# Altium PCB platka.PcbDoc (continued)
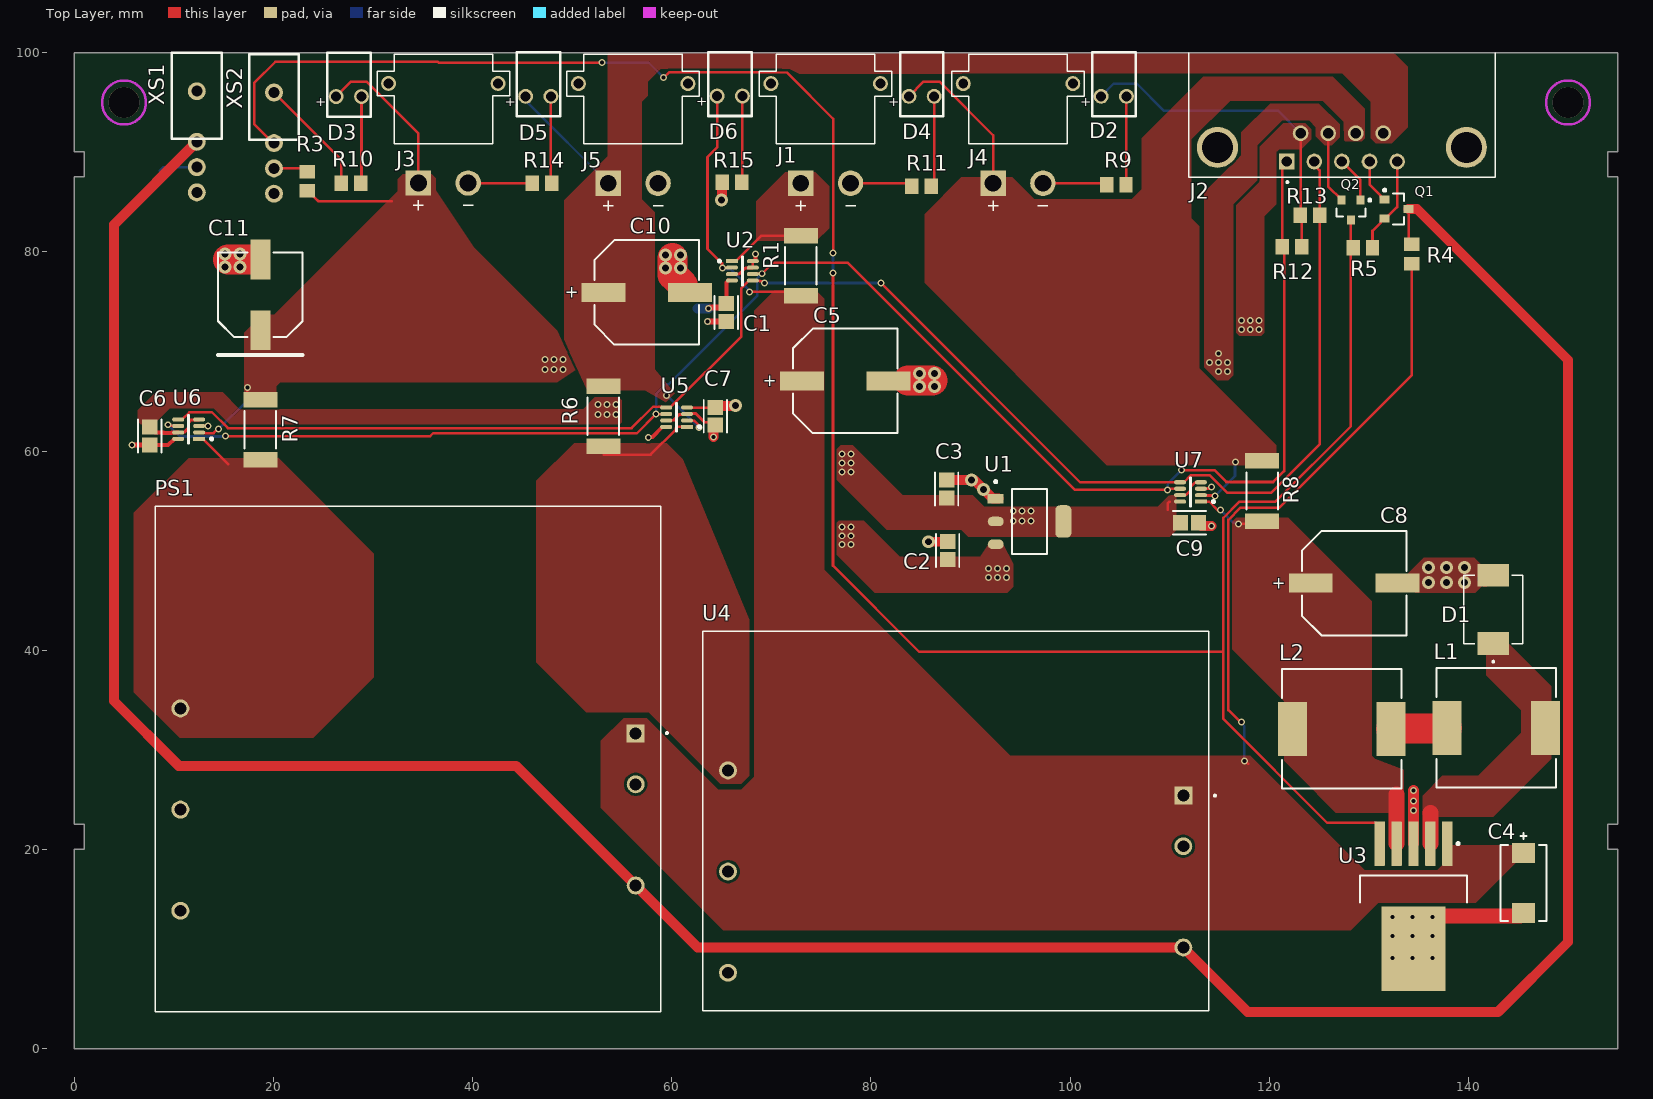
[diagram p0: Top Layer view]
## Part data (continued)
D1: "5A, 60V, Schottky Rectifier", Package="SMC-2 Taiwan Semiconductor", Availability="In Stock", Check_prices=https://www.snapeda.com/parts/SK56C/Taiwan+Semiconductor/view-part/?ref=eda, MF="Taiwan Semiconductor", MP=SK56C, Price=None, Purchase-URL=https://pricing.snapeda.com/search/part/SK56C/?ref=eda, SnapEDA_Link=https://www.snapeda.com/parts/SK56C/Taiwan+Semiconductor/view-part/?ref=snap
D2 D3 D4 D5 D6: library part 15400385F3590, "WL-TIRC THT Infrared Round Waterclear, 3mm, 60mW/sr, Infrared, 1.5V, 30°", Emitting Color=Infrared, Forward Voltage=1.5V, Manufacturer="Wurth Elektronik", Operating Temperature Max=85°C, Operating Temperature Min=-40°C, Category="Infrared LEDs", Centroid Wavelength=845nm, Chip Technology=AlGaAs, ComponentLink1Description="Website Link", ComponentLink1URL=https://www.we-online.com/redexpert/article/15400385F3590?ad, ComponentLink2Description="Datasheet Link", ComponentLink2URL=https://www.we-online.com/redexpert/spec/15400385F3590?ad, Diameter=3.85mm, Height=5.3mm, Manufacturer Part Number=15400385F3590, Match Code=WL-TIRC, Mount="Through Hole", Packaging=Bulk, Radiant Intensity=60mW/sr, Viewing Angle=30°
J1 J3 J4 J5: "Socket; DC supply; XT30; male; PIN: 2; on PCBs; THT; Colour: yellow", Package=None, Check_prices=https://www.snapeda.com/parts/XT30PW-M/AMASS/view-part/?ref=eda, MF=AMASS, MP=XT30PW-M, SnapEDA_Link=https://www.snapeda.com/parts/XT30PW-M/AMASS/view-part/?ref=snap
J2: "Connector d-sub rt angle pcb recept 4-40 threaded hole w/screwlock 9 socket cont", Package=None, Check_prices=https://www.snapeda.com/parts/L77SDE09SA4CH4F/Amphenol/view-part/?ref=eda, MF="Amphenol ICC (Commercial Products)", MP=L77SDE09SA4CH4F, SnapEDA_Link=https://www.snapeda.com/parts/L77SDE09SA4CH4F/Amphenol/view-part/?ref=snap
L1 L2: library part CMP-2000-06084-1, "Power Inductor, 10 uH, +/- 20%, -40 to 100 degC, 2-Pin SMD, RoHS, Tape and Reel", Current - Saturation=-, Current Rating=3.25A, DC Resistance (DCR)=21.6mOhmMax, Frequency - Test=1kHz, Inductance=47µH, Manufacturer=Sumida, Operating Temperature=-40°C~100°C, Package / Case=Nonstandard, Package Description="2-Pin Surface Mount Device, Body 12 x 12 mm", Package Reference=CDRH127, Standard Package=1, Tolerance=±20%, Catalog Drawings=CDRH127SeriesFrontCDRH127SeriesSideCDRH127SeriesBottom, Category=Inductors,Coils,Chokes, Datasheet URL=http://products.sumida.com/products/pdf/CDRH127.pdf, Datasheet Version=01/2014, Family=FixedInductors, Frequency - Self Resonant=-, Height - Seated (Max)="0.315\"(8.00mm)", Manufacturer URL=http://www.sumida.com/, Material - Core=-, Mounting Technology=SurfaceMount, Mounting Type=SurfaceMount, Online Catalog=CDRHSeries, Other Names=308-1457-1, Packaging=CutTape(CT), Product Training Modules=PowerInductorBasics, Q @ Freq=-, Ratings=-, Series=CDRH127, Shielding=Shielded, Size / Dimension="0.472\"Lx0.472\"W(12.00mmx12.00mm)", Type=-
PS1: "Isolated Module DC DC Converter 1 Output 5V 5A 9.2V - 18V Input", Package="DIP-8 Mean Well", Check_prices=https://www.snapeda.com/parts/SDM30-12S5/MEAN%20WELL%20USA%20Inc./view-part/9848/?ref=eda, Digi-Key_Part_Number=1866-4448-ND, MF="MEAN WELL", MP=SDM30-12S5, Purchase-URL=https://pricing.snapeda.com/search/part/SDM30-12S5/?ref=eda, SnapEDA_Link=https://www.snapeda.com/parts/SDM30-12S5/MEAN%20WELL%20USA%20Inc./view-part/9848/?ref=snap
Q1: library part CMP-0630-00125-1, "Digital Transistor (BRT), R1=47 kOhm, R2=47 kOhm, NPN Transistor, 3-Pin SC-59, Pb-Free, Tape and Reel пох какой цифровой транзюк", Manufacturer="On Semiconductor", PartNumber=MUN2213T1G, ComponentLink1Description="Manufacturer URL", ComponentLink1URL=http://www.onsemi.com/, ComponentLink2Description=Datasheet, ComponentLink2URL=http://www.onsemi.cn/pub_link/Collateral/DTC144E-D.PDF, ComponentLink3Description="Package Specification", ComponentLink3URL=http://www.onsemi.cn/pub_link/Collateral/318D-04.PDF, DatasheetVersion="Rev. 2", hFE Min=80, IC Continuous (A)=0.1, Mounting Technology="Surface Mount", PackageDescription="3-Pin Small Outline Transistor, Body 2.9 x 1.5 mm, Pitch 0.95 mm", PackageReference=SC-59-3-318D-04, PackageVersion="Rev. H, 06/2012", Packing="Tape and Reel", Polarity=NPN, R1/R2 Typ=1, RoHS=TRUE, V(BR)CEO Min (V)=50
Q2: library part CMP-0630-00280-1, "Digital Transistor (BRT), R1=4.7 kOhm, R2=infinity kOhm, PNP Transistor, 3-Pin SOT-23, Pb-Free, Tape and Reel", Manufacturer="On Semiconductor", PartNumber=SMMUN2116LT3G, ComponentLink1Description="Manufacturer URL", ComponentLink1URL=http://www.onsemi.com/, ComponentLink2Description=Datasheet, ComponentLink2URL=http://www.onsemi.cn/pub_link/Collateral/DTA143T-D.PDF, ComponentLink3Description="Package Specification", ComponentLink3URL=http://www.onsemi.cn/pub_link/Collateral/318-08.PDF, DatasheetVersion="Rev. 2", hFE Min=160, IC Continuous (A)=0.1, Mounting Technology="Surface Mount", PackageDescription="3-Pin Small Outline Transistor, Body 2.92 x 1.3 mm, Pitch 0.95 mm", PackageReference=SOT-23-3-318-08, PackageVersion="Rev. AP, 11/2009", Packing="Tape and Reel", Polarity=PNP, RoHS=TRUE, V(BR)CEO Min (V)=50
R1: library part CMP-02407-006956-1, "RES Thick Film, 1Ω, 1%, 1W, 100ppm/°C, 2512", Case Code (Imperial)=2512, Case Code (Metric)=6432, Max Operating Temperature=155°C, Max Power Dissipation=1W, Min Operating Temperature=-55°C, Package Quantity=2000, Resistance="0.033 Ом", Temperature Coefficient=100ppm/°C, Tolerance=1%, Voltage Rating=500V, Case/Package=2512, Composition="Thick Film", Contact Plating=Tin, Depth=3.15mm, Features="Automotive AEC-Q200", Height=0.6mm, Lead Free="Lead Free", Length=6.3mm, Military Standard=Not, Mount="Surface Mount", Number of Pins=2, Number of Terminations=2, Packaging="Tape and Reel", Power Rating=1W, Radiation Hardening=No, REACH SVHC="No SVHC", Termination=SMD/SMT, Voltage Rating (DC)=500V, Weight=0.001429oz, Width=0.124inch
R2 R3 R9 R10 R11 R12 R13 R14 R15: library part CMP-2001-04375-5, "Chip Resistor, 1 KOhm, +/- 1%, 0.125 W, -55 to 155 degC, 0805 (2012 Metric), RoHS, Tape and Reel", Manufacturer=Panasonic, Max Operating Temperature="155 degC", Min Operating Temperature="-55 degC", Package Quantity=1кОм, Voltage Rating="150 V", ComponentLink1Description="Manufacturer URL", ComponentLink1URL=http://www.panasonic.com/, ComponentLink2Description=Datasheet, ComponentLink2URL=http://industrial.panasonic.com/cdbs/www-data/pdf/RDA0000/AOA0000C86.pdf, DatasheetVersion=04/2015, Height="0.6 mm", Length="2 mm", Mount="Surface Mount", Mounting Technology="Surface Mount", PackageDescription="2-Pin Surface Mount Device, Body 2 x 1.25 mm", PackageReference=0805, Packaging="Cut Tape", REACH SVHC=Yes, RoHSCompliant=true
R4 R5: library part CMP-2001-04375-5, "Chip Resistor, 1 KOhm, +/- 1%, 0.125 W, -55 to 155 degC, 0805 (2012 Metric), RoHS, Tape and Reel", Manufacturer=Panasonic, Max Operating Temperature="155 degC", Min Operating Temperature="-55 degC", Package Quantity=10кОм, Voltage Rating="150 V", ComponentLink1Description="Manufacturer URL", ComponentLink1URL=http://www.panasonic.com/, ComponentLink2Description=Datasheet, ComponentLink2URL=http://industrial.panasonic.com/cdbs/www-data/pdf/RDA0000/AOA0000C86.pdf, DatasheetVersion=04/2015, Height="0.6 mm", Length="2 mm", Mount="Surface Mount", Mounting Technology="Surface Mount", PackageDescription="2-Pin Surface Mount Device, Body 2 x 1.25 mm", PackageReference=0805, Packaging="Cut Tape", REACH SVHC=Yes, RoHSCompliant=true
R6 R8: library part CMP-02407-006956-1, "RES Thick Film, 1Ω, 1%, 1W, 100ppm/°C, 2512", Case Code (Imperial)=2512, Case Code (Metric)=6432, Max Operating Temperature=155°C, Max Power Dissipation=1W, Min Operating Temperature=-55°C, Package Quantity=2000, Resistance="0.1 Ом", Temperature Coefficient=100ppm/°C, Tolerance=1%, Voltage Rating=500V, Case/Package=2512, Composition="Thick Film", Contact Plating=Tin, Depth=3.15mm, Features="Automotive AEC-Q200", Height=0.6mm, Lead Free="Lead Free", Length=6.3mm, Military Standard=Not, Mount="Surface Mount", Number of Pins=2, Number of Terminations=2, Packaging="Tape and Reel", Power Rating=1W, Radiation Hardening=No, REACH SVHC="No SVHC", Termination=SMD/SMT, Voltage Rating (DC)=500V, Weight=0.001429oz, Width=0.124inch
R7: library part CMP-02407-006956-1, "RES Thick Film, 1Ω, 1%, 1W, 100ppm/°C, 2512", Case Code (Imperial)=2512, Case Code (Metric)=6432, Max Operating Temperature=155°C, Max Power Dissipation=1W, Min Operating Temperature=-55°C, Package Quantity=2000, Resistance="0.05 Ом", Temperature Coefficient=100ppm/°C, Tolerance=1%, Voltage Rating=500V, Case/Package=2512, Composition="Thick Film", Contact Plating=Tin, Depth=3.15mm, Features="Automotive AEC-Q200", Height=0.6mm, Lead Free="Lead Free", Length=6.3mm, Military Standard=Not, Mount="Surface Mount", Number of Pins=2, Number of Terminations=2, Packaging="Tape and Reel", Power Rating=1W, Radiation Hardening=No, REACH SVHC="No SVHC", Termination=SMD/SMT, Voltage Rating (DC)=500V, Weight=0.001429oz, Width=0.124inch
U1: library part CMP-209535-000002-1, "1A LOW DROPOUT VOLTAGE REGULATOR 3.3V", RoHS Compliant=Yes
U2 U5 U6 U7: library part CMP-0704-00041-3, "IC CURRENT MONITOR 1% SOT23-8", Case/Package=SOT-23-8, Input Offset Voltage (Vos)=100uV, Max Input Voltage=26V, Max Operating Temperature=125°C, Max Supply Current=5mA, Max Supply Voltage=5.5V, Min Input Voltage=0V, Min Operating Temperature=-40°C, Min Supply Voltage=3V, Nominal Supply Current=700uA, Operating Supply Current=1mA, Output Current=10mA, Package Quantity=3000, Accuracy=1%, Bandwidth=3.4MHz, Common Mode Rejection Ratio=100dB, Contact Plating=Gold, Features=I²C, Height=1.3mm, Lead Free="Lead Free", Length=3mm, Number of Amplifiers=1, Number of Pins=8, Output Current per Channel=10mA, Output Type=Digital, Packaging="Tape and Reel", Quiescent Current=700uA, Radiation Hardening=No, REACH SVHC="No SVHC", RoHS Compliant=Yes, Series=Zero-Drift, Supply Current=700uA, Weight=0.001411oz, Width=1.75mm
U3: library part CMP-0069-00141-3, "SIMPLE SWITCHER® 3A Step-Down Voltage Regulator, 5-pin TO-263", Manufacturer="Texas Instruments", PackageTopMarking="NSUZXYTTE#*LM2576*HVS-5.0 P+", PowerWise=N, Code_JEDEC=MO-169-AB, ComponentLink1Description="Datasheet URL", ComponentLink1URL=http://www.ti.com/general/docs/lit/getliterature.tsp?genericPartNumber=LM2576HV&fileType=pdf, CompType=Switcher, PackageDescription="TO-263, Molded, .400 x .390 x .180in, 5 Lead, .067in Pitch, Surface Mount", PackageReference=KTT0005B, PinCount=5, RoHS=N
U4: "Isolated Module DC DC Converter 1 Output 5V 3A 9.4V - 36V Input", Package="DIP-8 Mean Well", Digi-Key_Part_Number=1866-3633-ND, MF="MEAN WELL", MP=NSD15-12S5, SnapEDA_Link=https://www.snapeda.com/parts/NSD15-12S5/MEAN%20WELL%20USA%20Inc./view-part/356097/?ref=snap
XS1 XS2: "SMTS-102-2C4"

## Free pads (board coordinates)
  round 3.1 hole 3.1 unplated: 4(5.006,95.006) 4(150.006,95.006)

## Via types
v1: diameter 0.7, hole 0.4, Top Layer to Bottom Layer, tented both sides, 91 vias
v2: diameter 1.3, hole 0.7, Top Layer to Bottom Layer, tented both sides, 22 vias
v3: diameter 0.7, hole 0.4, Top Layer to Bottom Layer, 2 vias
v4: diameter 1.3, hole 0.7, Top Layer to Bottom Layer, 1 vias

## Nets (pads, with @x,y where several pads share a name; then routed paths per layer and width w, separated by ;. In a path a pad name is that pad's centre, name@x,y a point inside that pad or via, vN(x,y) a via of type N, cw(c..) or ccw(c..) an arc to the next point about the centre after c; other vN are vias at no path point)
3.3v: C1.2 C3.1 C6.2 C7.2 C9.2 D2.1 J2.06 R12.2 R13.2 U1.2 U1.4 U2.4 U5.4 U5.8 U6.4 U6.7 U7.4 U7.7 U7.8 | length 58.4
  Top Layer w0.254: U6.7 10.48,61.906 11.058,61.906 ; U6.4@12.52,63.144 U6.4 ; v1(57.65,61.35) v1@57.735,61.435 ; U5.8@59.054,62.425 U5.8 ; U5.4 64.374,64.375 C7.2 ; C1.2@64.999,74.3 C1.2 ; U2.4@65.698,77.125 U2.4 ; 109.8,54.126 109.8,54.721 110.004,54.925 ; U7.7@110.654,55.575 U7.7 111.08,55.606 111.658,55.606 112.1,56.048 112.1,56.402 112.542,56.844 113.12,56.844 U7.4 ; C9.2 C9.2@111.1,52.826 ; J2.06 123.152,83.727 R13.2 123.275,83.55 R12.2
  Top Layer w0.3: 11.058,61.906 11.5,62.348 11.5,62.9 11.744,63.144 U6.4@12.52,63.144
  Top Layer w0.4: C6.2 8.152,61.849 8.978,61.849 8.984,61.843 9.771,61.843 9.803,61.875 U6.7 ; v1@57.735,61.435 58.065,61.435 U5.8@59.054,62.425 ; C1.2 65.5,76.927 U2.4@65.698,77.125
  Top Layer w0.6: v1(63.7,74.3) 63.727,74.3 63.869,74.442 65.141,74.442 C1.2
  Top Layer w1: C7.2 64.542,64.543 66.343,64.543 v2(66.4,64.6) ; U1.4 U1.4@99.398,52.867 ; C9.2@111.033,52.867 C9.2 ; J2.06@122.996,91.92 J2.06
  Bottom Layer w0.254: D2.1 104.393,96.9 106.7,96.9 109.4,94.2 120.872,94.2 J2.06
  Bottom Layer w1: 62.6,74.3 v1(63.7,74.3)
  other v1: 94.3,53 95.2,53 96.1,53 94.3,54 95.2,54 96.1,54 77.1,57.9 78,57.9 77.1,58.8 78,58.8 77.1,59.7 78,59.7 52.6,63.7 53.5,63.7 54.4,63.7 52.6,64.7 53.5,64.7 54.4,64.7 117.2,72.2 118.1,72.2 119,72.2 117.2,73.1 118.1,73.1 119,73.1
5v: C2.1 C11.1 D3.1 J2.07 J3.P Q2.2 R3.2 R7.1 U1.3 U6.2 | length 42.4
  Top Layer w0.254: U6.2 12.581,61.844 13.096,61.844 13.127,61.813 13.993,61.813 14.379,62.2 v1(14.5,62.2) ; v1(17.4,66.4) 17.4,65.83 18.05,65.179 R7.1 ; R3.2 23.5,86.125 24.5,85.125 24.5,85.1 31.9,85.1 ; D3.1 27.809,97.1 29.351,97.1 34.569,91.882 J3.P ; J2.07 125.922,86.578 127.25,85.25 Q2.2
  Top Layer w1: C2.1@87.448,49.352 C2.1 C2.1@87.726,49.099 ; J2.07@125.812,92.03 J2.07
  Bottom Layer w0.254: v1(14.5,62.2) 17.4,65.1 v1(17.4,66.4)
  other v1: 91.8,47.3 92.7,47.3 93.6,47.3 91.8,48.2 92.7,48.2 93.6,48.2 77.1,50.6 78,50.6 77.1,51.5 78,51.5 77.1,52.4 78,52.4 114.9,68 115.8,68 47.3,68.2 48.2,68.2 49.1,68.2 114,68.9 114.9,68.9 115.8,68.9 47.3,69.2 48.2,69.2 49.1,69.2 114.9,69.8
"5v lm": D4.1 J2.08 J4.P R8.1 U7.2 | length 22.7
  Top Layer w0.254: D4.1 85.289,97.1 86.9,97.1 92.281,91.719 J4.P ; U7.2 113.181,55.544 114.492,55.544 v1(114.543,55.493) ; R8.1@117.723,58.9 117.799,58.977 R8.1@117.799,59.599
  Top Layer w1: J2.08@128.582,92.03 J2.08
  Bottom Layer w0.254: v1(114.543,55.493) 116.569,57.518 116.569,58.869 v1(116.6,58.9)
"12 akkum": C4.2 C5.1 D6.1 PS1.1 R1.1 R4.1 U2.2 U3.1 U4.1 | length 89.7
  Top Layer w0.254: D6.1 64.567,90.493 63.6,89.526 63.6,80.3 65.053,78.847 65.053,78.421 v1(65.103,78.371) 65.131,78.398 66.022,78.398 U2.2 ; v1(67.8,76) 72.562,76 R1.1 ; v1(117.2,32.8) 117.1,32.8 115.9,34 115.9,53.1 117.092,54.292 120.992,54.292 134.3,67.6 R4.1 ; v1(117.5,28.9) 117.6,28.9 117.9,28.6
  Top Layer w1.5: C4.2@145.495,19.6 C4.2
  Bottom Layer w0.254: v1(65.103,78.371) 65.189,78.285 65.915,78.285 67.393,76.807 67.393,76.527 67.8,76.121 v1(67.8,76) ; v1(117.2,32.8) 117.2,32.679 117.5,32.379 v1(117.5,28.9)
"12 akkum do shunta": J1.P R1.2 U2.1 | length 8
  Top Layer w0.254: U2.1 66.445,79.075 67.767,80.397 69.009,81.639 R1.2
12v: C10.1 D5.1 J2.09 J5.P R6.1 U5.2 | length 18.5
  Top Layer w0.254: U5.2 61.581,63.044 62.28,63.044 62.672,62.653 62.672,62.462 v1(62.757,62.377)
  Top Layer w1: J2.09@131.352,92.03 J2.09
  Bottom Layer w0.254: D5.1 45.577,95.393 45.577,94.958 J5.P ; v1(59.5,65.6) 59.517,65.6 62.74,62.377 v1(62.757,62.377)
Cntrl1: PS1.4 Q1.3 R4.2 U4.4 XS1.1 | length 305.8
  Top Layer w0.254: Q1.3 134,81.075 R4.2
  Top Layer w1: XS1.1 4,82.74 4,34.9 10.5,28.4 44.371,28.4 PS1.4 62.611,10.16 U4.4 117.839,3.7 143,3.7 150,10.7 150,69.157 134.857,84.3 Q1.3
Cntrl2: Q2.3 R5.2 U3.5 XS2.1 | length 236
  Top Layer w0.254: XS2.1 19.968,90.932 18.1,92.8 18.1,97 20.2,99.1 36.49,99.1 36.59,99 v3(53,99) ; v3(59.2,97.5) 59.736,98.036 69.976,98.036 71.6,98 71.674,97.926 76.229,93.371 76.229,79.929 v1(76.2,79.9) ; v1(76.2,77.9) 76.2,48.5 84.863,39.837 115.392,39.837 ; Q2.3 128.2,80.625 R5.2 128.2,80.175 128.2,62.5 120.6,54.9 116.982,54.9 115.392,53.31 115.392,39.837 ; U3.5 131.093,22.283 130.695,22.681 125.819,22.681 115.392,33.108 115.392,39.837
  Bottom Layer w0.254: v3(53,99) 57.7,99 v3(59.2,97.5) ; v1(76.2,77.9) v1(76.2,79.9)
GND: C1.1 C2.2 C3.2 C4.1 C5.2 C6.1 C7.1 C8.2 C9.1 C10.2 C11.2 D1.A J1.N J2.05 J2.SH1 J2.SH2 J3.N J4.N J5.N PS1.2 PS1.7 Q1.2 R2.2 R5.1 R9.1 R10.1 R11.1 R14.1 R15.1 U1.1 U2.3 U2.7 U2.8 U3.3 U3.6 U4.2 U4.7 U5.3 U5.7 U6.3 U6.8 U7.3 XS1.0 XS2.0 | length 96
  Top Layer w0.254: U6.8@10.054,61.225 U6.8 ; U6.3 12.56,62.535 13.447,62.535 v1(13.456,62.544) ; XS2.0 26.838,89.24 R10.1 ; J3.N R14.1 ; U5.7 U5.7@59.475,63.1 ; U5.3@61.52,63.694 U5.3 ; U2.7@68.12,78.394 U2.7 U2.8 68.326,79.075 U2.8@68.4,79.149 ; J1.N 83.828,86.901 R11.1 ; J4.N 103.513,86.901 R9.1 ; U7.3 U7.3@113.181,56.256 ; v1@113.944,56.256 114.066,56.378 v1(114.187,56.378) ; R5.1 130.375,82.125 131.227,82.977 131.227,83.077 131.5,83.35 Q1.2 131.7,83.35 132.847,84.497 J2.05
  Top Layer w0.3: U5.7@59.475,63.1 60.2,63.1 60.794,63.694 U5.3@61.52,63.694 ; U5.3 61.572,63.747 62.049,63.747 62.065,63.764 62.436,63.764 63.301,62.899 64.101,62.899 C7.1 ; U2.3 66.775,77.775 67.394,78.394 67.643,78.394 67.652,78.403 68.111,78.403 U2.7@68.12,78.394 ; U7.3@113.181,56.256 v1@113.944,56.256
  Top Layer w0.4: C6.1 9.429,60.6 U6.8@10.054,61.225 ; U2.8@68.4,79.149 v1(68.4,79.8)
  Top Layer w0.5: v1(5.8,60.6) C6.1
  Top Layer w0.6: v1@63.601,72.999 C1.1
  Top Layer w1: v1(64.2,61.4) 64.2,62.399 C7.1 ; v2(65,85.2) 65.045,85.245 65.045,86.95 R15.1 ; v4@85.801,50.901 C2.2 ; C3.2 90.385,57.101 92.263,55.224 U1.1 U1.1@92.819,55.224 ; C9.1 113.202,52.5 v1(114.2,52.5) ; U3.3@134.48,20.596 U3.3 ; v1(136.385,13.208) U3.6@136.477,13.3 ; D1.A@142.085,47.53 D1.A ; C4.1@145.215,13.3 C4.1
  Top Layer w1.1: U3.3@134.48,20.596 v1(134.48,23.889) v1(134.48,24.884) 134.48,25.88 v1(134.5,25.9)
  Top Layer w1.5: C8.2 C8.2@132.938,46.8 ; U3.6@136.477,13.3 C4.1@145.215,13.3 ; D1.A@141.69,47.135 D1.A@142.085,47.53
  Top Layer w3: v2@15.442,79.242 C11.2@18.1,79.242 ; 60.1,79.4 60.1,77.702 61.156,76.646 C10.2@61.156,76.496 ; C5.2@83.744,67.1 v2@86.2,67.1
  other v1: 132.4,9.1 134.4,9.1 136.4,9.1 132.4,11.3 134.4,11.3 136.4,11.3 132.385,13.208 134.385,13.208 63.6,73
  other v2: 136,46.8 137.8,46.8 139.6,46.8 136,48.3 137.8,48.3 139.6,48.3 91.324,56.162 90.1,57.1 84.9,66.5 86.4,66.5 84.9,67.8 86.4,67.8 59.4,78.4 60.9,78.4 15.135,78.485 16.635,78.485 59.4,79.7 60.9,79.7 15.135,79.785 16.635,79.785
  other v4: 85.8,50.9
"logic cntrl1": J2.04 Q1.1 | length 4.5
  Top Layer w0.254: J2.04 130.077,86.773 131.227,85.623 131.227,85.523 131.5,85.25 Q1.1
"logic cntrl2": J2.03 Q2.1 | length 4.6
  Top Layer w0.254: J2.03 129.15,87.237 Q2.1
NetC8_1: C8.1 L2.2 R8.2 U3.4 U7.1 | length 13.7
  Top Layer w0.254: U7.1 113.159,54.917 113.983,54.917 114.815,54.085 115.115,54.085 v1(115.124,54.076) ; v1(116.9,52.7) 119.026,52.7 R8.2
  Top Layer w1.6: L2.2@123,32.1 L2.2 L2.2@123,32.75 ; U3.4 132.793,25.507
  Bottom Layer w0.254: v1(115.124,54.076) 116.415,52.785 116.815,52.785 v1(116.9,52.7)
NetD1_C: D1.C L1.1 U3.2 | length 6.2
  Top Layer w1.6: U3.2 136.193,23.643 ; D1.C 142.915,40.67 D1.C@143.26,40.325 ; L1.1@147.1,30.553 147.197,30.65 147.197,32.697 L1.1@147.188,32.707
NetD2_2: D2.2 R9.2 | length 8.9
  Top Layer w0.254: R9.2 105.664,86.782 D2.2
NetD3_2: D3.2 R10.2 | length 8.7
  Top Layer w0.254: R10.2 28.854,86.985 D3.2
NetD4_2: D4.2 R11.2 | length 9.1
  Top Layer w0.254: R11.2 86.36,86.909 D4.2
NetD5_2: D5.2 R14.2 | length 8.7
  Top Layer w0.254: D5.2 47.879,86.979 R14.2
NetD6_2: D6.2 R15.2 | length 8.7
  Top Layer w0.254: R15.2 67.107,87.061 D6.2
NetL1_2: L1.2 L2.1 | length 5.6
  Top Layer w3: L2.1 132.3,32.15 137.8,32.15 L1.2
NetPS1_6: PS1.6 R7.2 U6.1 | length 4.6
  Top Layer w0.254: U6.1 12.946,61.225 15.471,58.7 ; R7.2@18.266,58.7 R7.2
NetR2_1: R2.1 XS1.2 | length 3.9
  Bottom Layer w0.254: R2.1 8.944,88.519 XS1.2
NetR3_1: R3.1 XS2.2 | length 3.5
  Top Layer w0.254: XS2.2 23.083,88.392 R3.1
NetR6_2: R6.2 U4.6 U5.1 | length 9.6
  Top Layer w0.254: 53.188,59.639 57.891,59.639 60.433,62.181 60.433,62.276 60.582,62.425 U5.1
SCL: J2.02 R13.1 U2.5 U5.5 U6.5 U7.5 | length 164.7
  Top Layer w0.254: U6.5 10.845,63.175 11.57,63.9 13.834,63.9 15.434,62.3 55.985,62.3 58.141,64.456 58.93,64.456 59.011,64.375 U5.5 59.502,64.428 59.897,64.428 67,71.53 67,76.37 67.755,77.125 U2.5 68.181,77.094 68.856,77.094 68.87,77.08 69.001,77.08 69.199,76.883 v1(69.319,76.883) ; v1(81,76.9) 101.025,56.875 U7.5 111.445,56.875 112.162,57.592 114.006,57.592 114.489,57.109 115.798,55.8 120.2,55.8 125.075,60.675 R13.1 125.075,88.184 124.537,88.723 J2.02
  Bottom Layer w0.254: v1(69.319,76.883) 75.759,76.883 75.773,76.869 76.627,76.869 76.641,76.883 80.983,76.883 v1(81,76.9)
SDA: J2.01 R12.1 U2.6 U5.6 U6.6 U7.6 | length 169.2
  Top Layer w0.254: v1(9.438,62.647) 9.559,62.647 9.65,62.556 10.419,62.556 U6.6 ; v1(15.182,61.5) 35.761,61.5 36.053,61.792 56.51,61.792 v1(58.443,63.725) U5.6 ; U2.6 68.169,77.793 69.058,77.793 v1(69.077,77.811) 70.196,78.931 77.669,78.931 100.5,56.1 v1(109.8,56.1) 109.921,56.1 110.046,56.225 U7.6 ; v1(111.2,58.1) 114.5,58.1 115.7,56.9 120.4,56.9 121.5,58 121.5,80.325 R12.1 121.325,88.639 J2.01
  Bottom Layer w0.254: v1(9.438,62.647) 10.616,61.469 15.151,61.469 v1(15.182,61.5) ; v1(58.443,63.725) 58.443,65.746 59.398,66.7 59.7,66.7 68.588,75.588 68.588,77.323 v1(69.077,77.811) ; v1(109.8,56.1) 109.8,56.7 v1(111.2,58.1)
pads on no net: J1.S1 J1.S2 J3.S1 J3.S2 J4.S1 J4.S2 J5.S1 J5.S2 PS1.8 U4.8 XS1.3 XS2.3

## Polygon pours and split planes (outlines as drawn)
12v on Top Layer "12V_L01_P006" (solid, pour order 6): 51.75,87.75 51.2,87.2 49.2,85.2 49.2,71.2 51.5,66.1 57.3,66.1 59.4,64.9 60.3,65.8 58.3,68.2 58.3,84 56.1,86.2 56.1,86.9 55.25,87.75
5v on Top Layer "5V_L01_P002" (solid, pour order 2): 17.1,65.4 17.1,66.7 17.1,66.8 17.1,66.9 17.1,71.9 18.9,73.7 20.1,73.7 32.5,86.1 32.5,87.3 33,87.8 35.9,87.8 36.3,87.4 36.3,86.19 40.106,80.494 48.5,72.1 50.295,68.26 50.4,68.2 48.5,66.9 20.7,66.9 20.3,66.5 20.3,65.5
NetC8_1 on Top Layer "NETC8_1_L01_P008" (solid, pour order 8): 121.9,53.3 130.3,44.9 130.3,29.4 130.6,29.1 133.5,28 133.5,26.2 133.5,23.7 126.7,23.7 122.9,27.5 121.5,28.9 121.5,34.9 121.1,35.3 116.3,40.1 116.3,52.9 116.4,53 116.7,53.3
GND on Top Layer "GND_L01_P021" (solid, pour order 21): 133.9,47.5 133.9,47.7 135.5,49.3 140.6,49.3 141.4,48.5 141.4,46.5 140.7,45.8 134.644,45.8
NetD1_C on Top Layer "NETD1_C_L01_P020" (solid, pour order 20): 141.8,40.3 141.8,37.5 145.3,34 145.3,31.7 141,27.4 137.4,27.4 135.4,25.4 135.4,23.5 135.6,23.3 142.5,23.3 148.3,29.1 148.3,36.4 143.7,41
3.3v on Top Layer "3.3V_L01_P019" (solid, pour order 19): 9.6,64.3 14,64.3 15.6,62.7 54.8,62.7 55,62.9 55,65.1 54.7,65.4 52.3,65.4 51.1,64.2 16.6,64.2 14.9,65.9 8.2,65.9 6.4,64.1 6.4,63 6.7,62.7 8,62.7 8.9,63.6
3.3v on Top Layer "3.3V_L01_P017" (solid, pour order 17): 76.6,60.2 76.6,57.1 81.6,52.1 89.1,52.1 89.8,51.4 110,51.4 110.7,52.1 110.654,52.146 110.654,55.575 109.975,55.575 108.8,54.4 91.4,54.4 90.225,55.575 83.225,55.575 78.2,60.6 77,60.6
5v on Top Layer "5V_L01_P015" (solid, pour order 15): 91.8,50.6 93.3,50.6 94.3,48.7 94.3,46.4 93.7,45.8 80.4,45.8 76.3,49.9 76.3,52.5 76.8,53 79.3,53 82.9,49.4 91,49.4
"5v lm" on Top Layer "5V_LM_L01_P009" (solid, pour order 9): 103.7,58.6 85.4,76.9 85.4,83.8 89.1,87.5 94.2,87.5 96.4,85.3 106.2,85.3 107.2,86.3 107.2,91.4 113.4,97.6 126.4,97.6 129.6,94.4 129.6,91.4 129.3,91.1 127.658,91.1 127.529,91.229 127.501,93.099 125.4,95.2 116.1,95.2 112.2,91.3 112.2,83.4 113,82.6 113,68.3 120.7,60.6 120.7,58.6
5v on Top Layer "5V_L01_P011" (solid, pour order 11): 124,93.2 124.7,92.5 124.7,91.6 125.6,90.7 126.3,90.7 127.1,91.5 127.1,92.8 125,94.9 120.1,94.9 117.2,92 117.2,89.7 113.5,86 113.5,68.4 114.8,67.1 115.9,67.1 116.4,67.6 116.4,84.8 118.8,87.2 118.8,90.7 121.3,93.2
3.3v on Top Layer "3.3V_L01_P012" (solid, pour order 12): 116.7,71.9 117,71.6 119.2,71.6 119.5,71.9 119.5,83.6 120.7,84.8 120.7,90 121,90.3 123.2,90.3 124.2,91.3 124.2,92.3 123.6,92.9 121.4,92.9 119,90.5 119,87 116.7,84.7 116.7,84.5
12v on Top Layer "12V_L01_P010" (solid, pour order 10): 51.75,87.75 53.6,89.6 53.6,100 132.5,100 133.9,98.6 133.9,92.5 132.3,90.9 130.7,90.9 130.2,91.4 130.2,95.1 127.4,97.9 72.8,97.9 71.8,98.4 58.9,98.4 57.6,97.1 57.6,95.7 57,95.1 57,85.1 52.5,85.1 51.8,85.8
"12 akkum do shunta" on Top Layer "12_AKKUM_DO_SHUNTA_L01_P007" (solid, pour order 7): 74.4,88 75.8,86.6 75.8,82.4 74.5,81.1 68.5,81.1 68.5,85.1 71.4,88
"12 akkum" on Top Layer "12_AKKUM_L01_P005" (solid, pour order 5): 68.3,74.1 68.3,26.3 70.5,24.1 94.3,24.1 94.3,29.1 75.3,48.1 75.3,75.3 74.5,76.1 70.3,76.1
"12 akkum" on Top Layer "12_AKKUM_L01_P004" (solid, pour order 4): 52.9,30.9 52.9,24.2 65.2,11.9 128.2,11.9 130.95,14.65 140.75,14.65 144.9,18.8 144.9,20.3 145,20.4 137.6,20.4 137.6,18.6 136.9,17.9 129.6,17.9 118.1,29.4 70.4,29.4 67,26 64.7,26 57.5,33.2 55.2,33.2
NetR6_2 on Top Layer "NETR6_2_L01_P003" (solid, pour order 3): 50.2,60.8 46.4,57 46.4,38.8 51.4,33.8 57.7,33.8 58.2,33.3 64.9,26.6 67,26.6 67.8,27.4 67.8,43.062 61.126,59.174 59.5,60.8
NetPS1_6 on Top Layer "NETPS1_6_L01_P001" (solid, pour order 1): 20.4,59.4 30.1,49.7 30.1,37.3 24,31.2 10.6,31.2 6,35.8 6,36.4 6,53.8 11.5,59.3 20.4,59.3
GND on Bottom Layer "GND_L02_P018" (solid, pour order 18): 0.006,0.006 0.006,20.006 1.006,20.006 1.006,22.506 0.006,22.506 0.006,87.542 1.006,87.542 1.006,90.042 0.006,90.042 0.006,100.006 155.006,100.006 155.006,90.042 154.006,90.042 154.006,87.542 155.006,87.542 155.006,22.506 154.006,22.506 154.006,20.006 155.006,20.006 155.006,0.006
3.3v on Bottom Layer "3.3V_L02_P014" (solid, pour order 14): 78,60.5 78.5,60 78.5,57.7 78.2,57.4 65.8,57.4 65,58.2 56.7,58.2 52,62.9 52,65 61.9,74.9 63.8,74.9 64.2,74.5 64.2,73.9 63.9,73.6 63,73.6 62.5,73.1 62.5,71.6 55.9,65 55.9,63.7 59.1,60.5 65.1,60.5 65.8,61.2 65.8,65 66.2,65.4 66.8,65.4 67.4,64.8 67.4,60.5 67.6,60.3
5v on Bottom Layer "5V_L02_P013" (solid, pour order 13): 78,49.9 78.5,50.4 78.5,52.6 77.5,53.6 59.3,53.6 49.9,63 49.9,69.3 49.3,69.9 47.2,69.9 46.6,69.3 46.6,60.9 57.6,49.9
5v on Bottom Layer "5V_L02_P016" (solid, pour order 16): 93.6,49 91.6,49 91,48.4 91,46.4 91.6,45.8 95.1,45.8 116.6,67.3 116.6,69.5 115.8,70.3 114.9,70.3
3.3v on Bottom Layer "3.3V_L02_P000" (solid, pour order 0): 119.5,71.9 119,71.4 115.5,71.4 96,51.9 94,51.9 93.3,52.6 93.3,53.8 113.6,74.1 118.9,74.1 119.5,73.5 119.5,72.9

## Keep-outs
Keep-Out Layer:
  circle w0.254: c150.006,95.006 r2.207
  circle w0.254: c5.006,95.006 r2.207

## Silkscreen, mask and mechanical layers (free items; w line width, h text height)
Mechanical 1:
  circle w0.013: c150.006,95.006 r1.7
  circle w0.013: c5.006,95.006 r1.7
  lines w0.013: 0.006,0.006 0.006,20.006 1.006,20.006 1.006,22.506 0.006,22.506 0.006,87.542 1.006,87.542 1.006,90.042 0.006,90.042 0.006,100.006 155.006,100.006 155.006,90.042 154.006,90.042 154.006,87.542 155.006,87.542 155.006,22.506 154.006,22.506 154.006,20.006 155.006,20.006 155.006,0.006 0.006,0.006

## Text inside footprints (layer, text, board x,y; h text height)
C5: Top Overlay "+" at 70.576,67.556 h1.22 r180
C8: Top Overlay "+" at 121.674,47.236 h1.22 r180
C10: Top Overlay "+" at 50.656,76.446 h1.22 r180
D2: Top Overlay "+" at 101.041,94.64 h1; Bottom Assembly "board border" at 99.944,100.381 h0.8
D3: Top Overlay "+" at 24.232,94.615 h1; Bottom Assembly "board border" at 23.134,100.356 h0.8
D4: Top Overlay "+" at 81.737,94.64 h1; Bottom Assembly "board border" at 80.64,100.381 h0.8
D5: Top Overlay "+" at 43.256,94.64 h1; Bottom Assembly "board border" at 42.159,100.381 h0.8
D6: Top Overlay "+" at 62.484,94.666 h1; Bottom Assembly "board border" at 61.387,100.406 h0.8
J2: Top 3D Body "PCB Edge" at 111.557,99.75 h1 r180